# Altium PCB Fri3D_2020_01.PcbDoc (part 1 of 3)
Units mm, origin at the board's own origin, x right, y up, seen from the top; angles counter-clockwise.
Board outline 110 x 100 mm, 2 copper layers (Top Layer, Bottom Layer), stack 1.571 mm thick; 144 components, 114 nets, 669 pads, 306 vias.
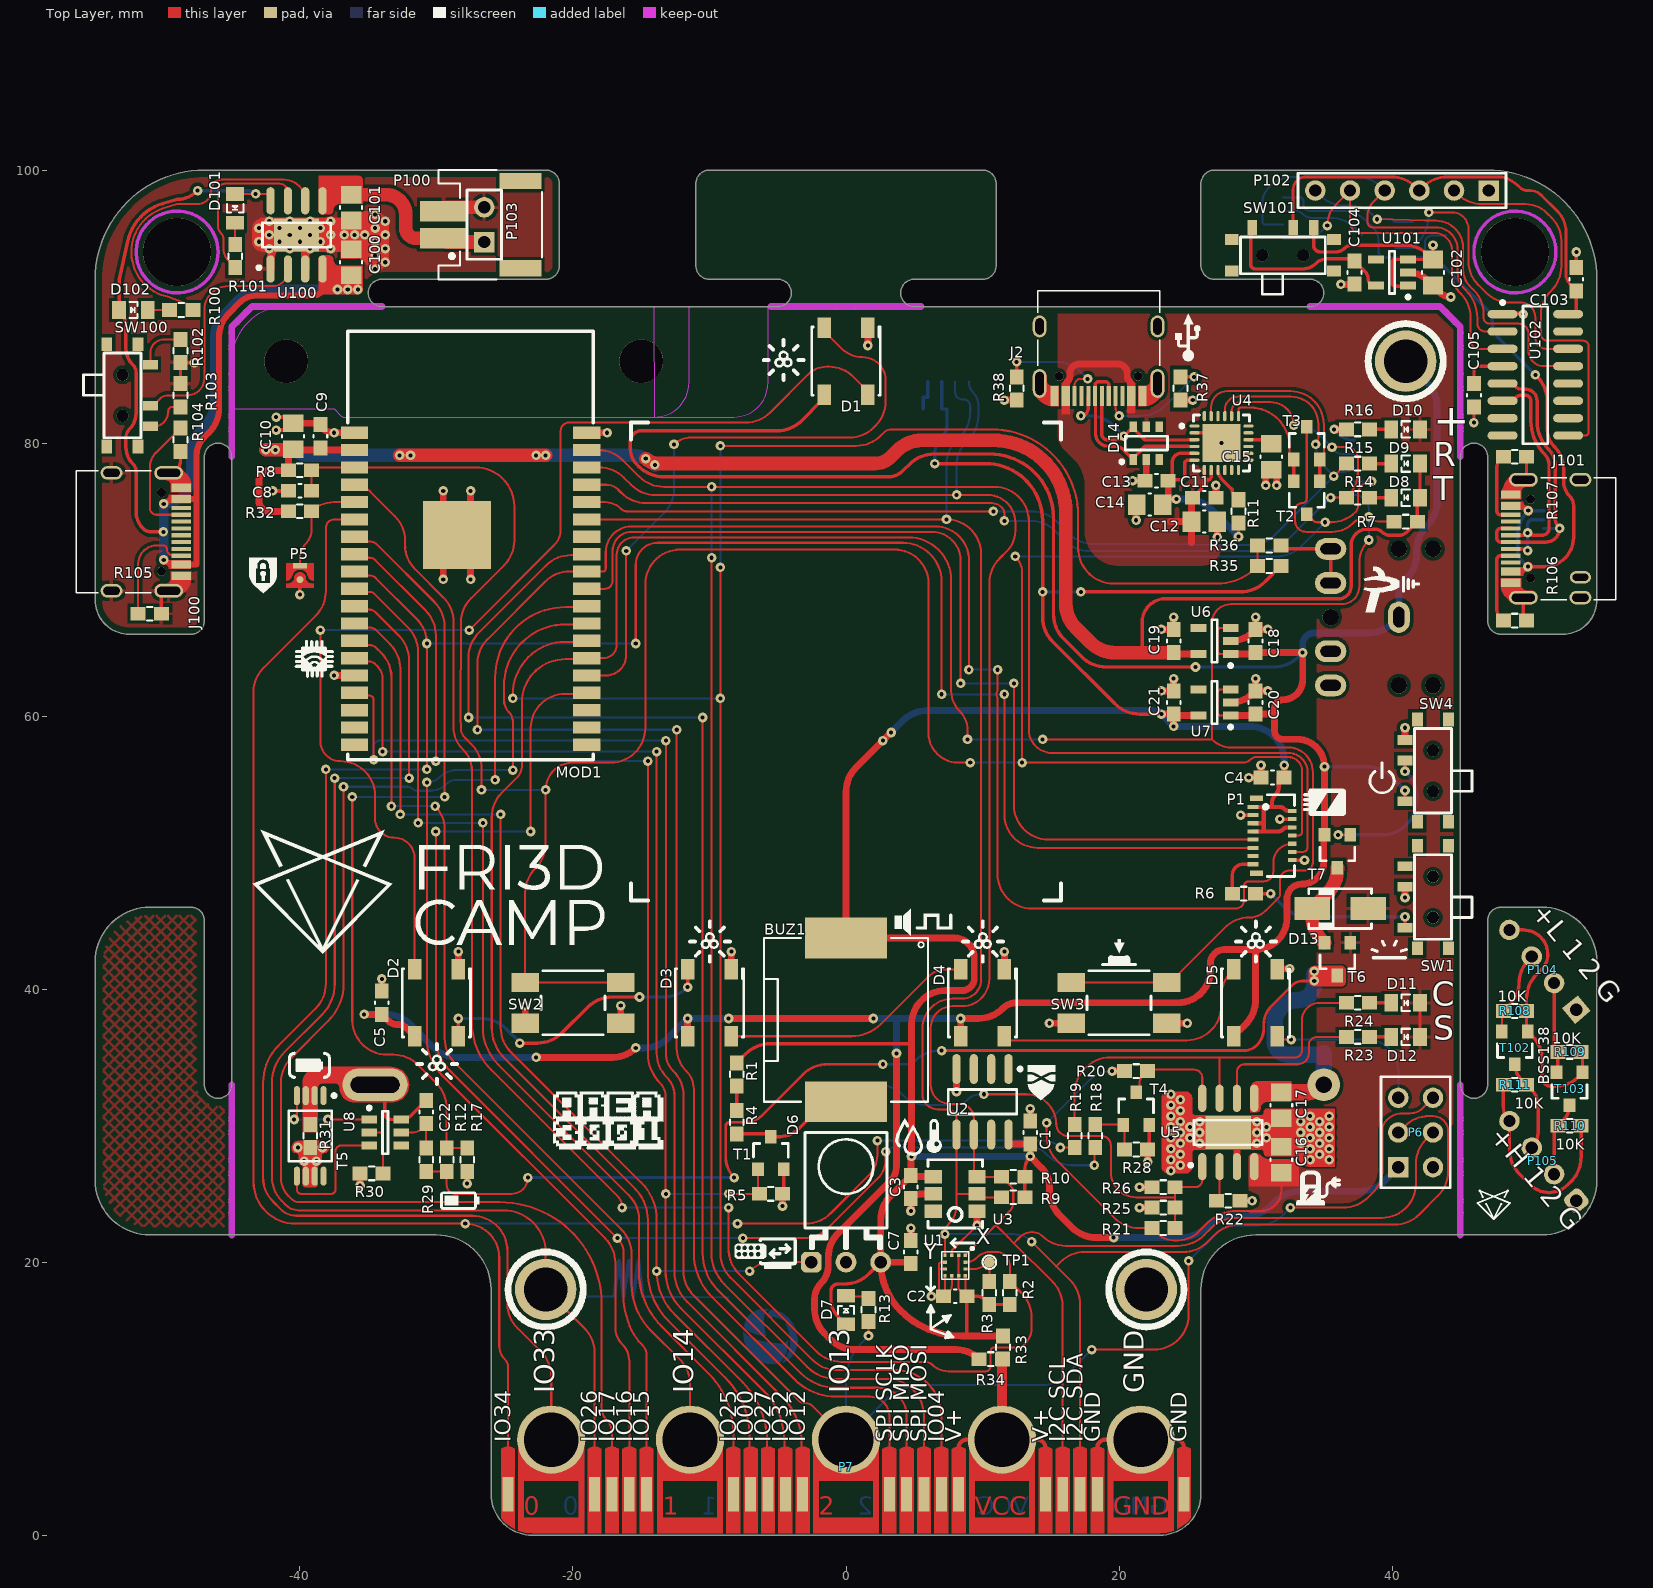
[diagram p0: Top Layer view]
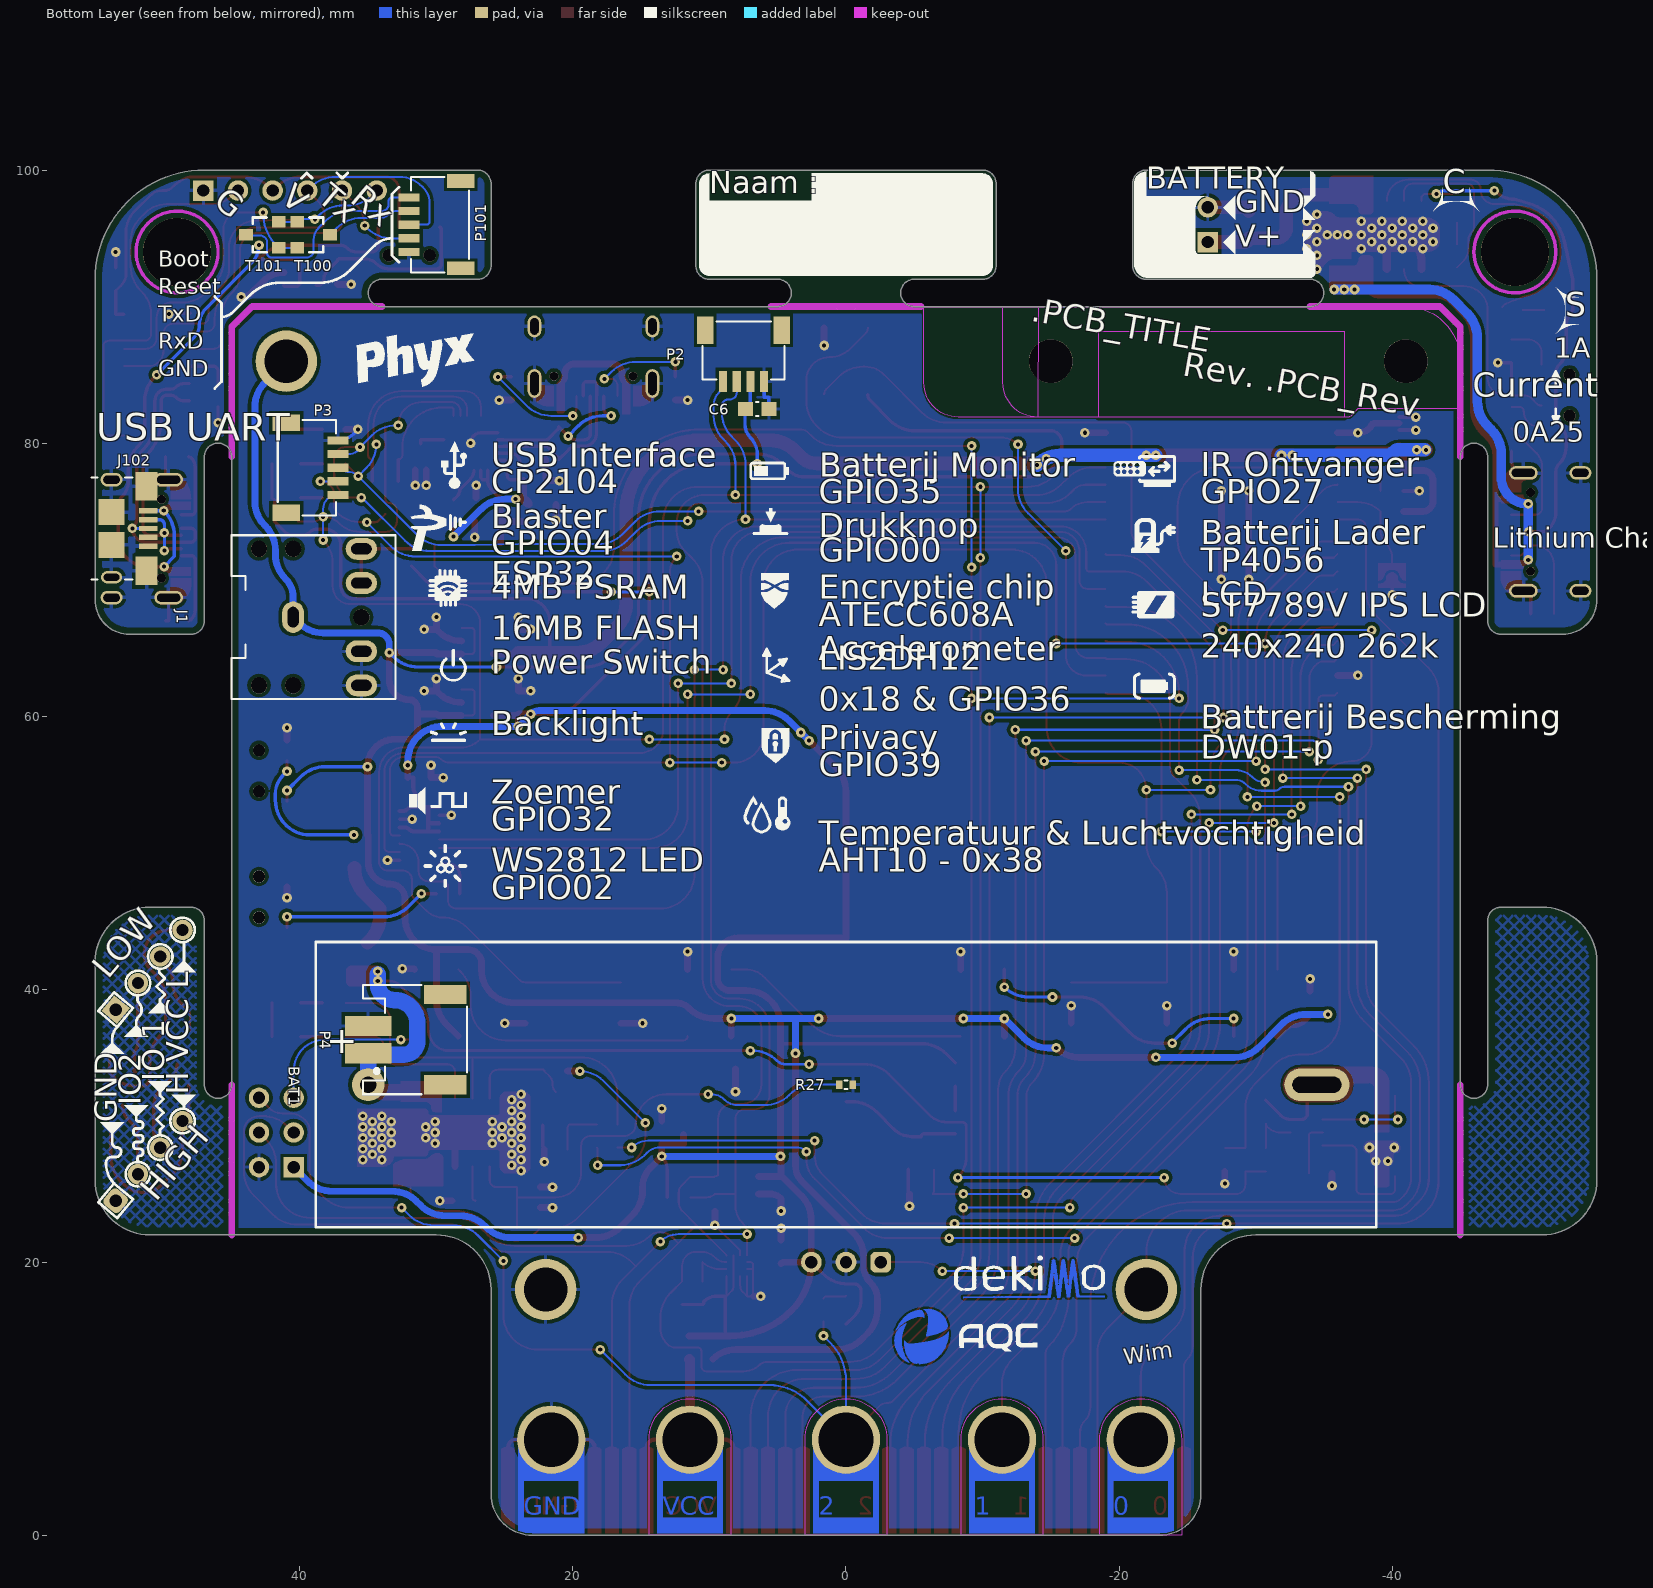
[diagram p1: Bottom Layer view, seen from below]

## Layer stack, top to bottom
Top Solder: solder mask 0.0102, Solder Resist, Dk 3.5
Top Layer: signal copper 0.0356
Dielectric1: core 1.5, FR-4, Dk 4.8
Bottom Layer: signal copper 0.0356
Bottom Solder: solder mask 0.0102, Solder Resist, Dk 3.5

## Board outline
-51,22 cw(c-51,26) -55,26 -55,42 cw(c-51,42) -51,46 -48,46 -48,46.01 cw(c-48,45.01) -47,45.01 -47,33 ccw(c-46,33) -45,33 -45,79 ccw(c-46,79) -47,79 -47,66.99 cw(c-48,66.99) -48,65.99 -48,66 -52.5,66 cw(c-52.5,68.5) -55,68.5 -55,92 cw(c-47,92) -47,100 -22,100 cw(c-22,99) -21,99 -21,93 cw(c-22,93) -22,92 -34,92 ccw(c-34,91) -34,90 -5,90 ccw(c-5,91) -5,92 -10,92 cw(c-10,93) -11,93 -11,99 cw(c-10,99) -10,100 10,100 cw(c10,99) 11,99 11,93 cw(c10,93) 10,92 5,92 ccw(c5,91) 5,90 34,90 ccw(c34,91) 34,92 27,92 cw(c27,93) 26,93 26,99 cw(c27,99) 27,100 47,100 cw(c47,92) 55,92 55,68.5 cw(c52.5,68.5) 52.5,66 48,66 48,65.99 cw(c48,66.99) 47,66.99 47,79 ccw(c46,79) 45,79 45,33 ccw(c46,33) 47,33 47,45.01 cw(c48,45.01) 48,46.01 48,46 51,46 cw(c51,42) 55,42 55,26 cw(c51,26) 51,22 30,22 ccw(c30,18) 26,18 26,3 cw(c23,3) 23,0 -23,0 cw(c-23,3) -26,3 -26,18 ccw(c-30,18) -30,22

## Design rules (kind name [scope] priority, off if disabled: settings)
BoardOutlineClearance [NOT OnLayer('Top Overlay') AND NOT OnLayer('Bottom Overlay') AND NOT IsText AND NOT HasFootprint('MicroBIT_PCB') AND NOT IsKeepOut] p1: gap=0.5 ignorepadtopadclearanceinfootprint=FALSE except(0: Arc-SplitContinuation Track-SplitContinuation SMDPad-SplitContinuation THPad-SplitContinuation Via-SplitContinuation Fill-SplitContinuation Poly-SplitContinuation Region-SplitContinuation Text-SplitContinuation; 0.15: SMDPad-OutlineEdge THPad-OutlineEdge; 0.25: Region-OutlineEdge; 0.3: Arc-OutlineEdge Track-OutlineEdge; 0.4: Via-OutlineEdge)
Clearance [All] p1: gap=0.15 ignorepadtopadclearanceinfootprint=FALSE except(0: Arc-Hole Track-Hole SMDPad-Hole THPad-Hole Via-Hole Fill-Hole Poly-Hole Region-Hole Text-Hole; 0.25: Arc-Poly Track-Poly SMDPad-Poly THPad-Poly Via-Poly Fill-Poly; 1.1: Poly-Poly)
ComponentClearance ComponentClearance_TP [HasFootprint('TP_2x3mm')] p1: gap=0 collisioncheckmode=3 verticalgap=0 showdistances=FALSE
ComponentClearance [All] p2: gap=0.25 collisioncheckmode=3 verticalgap=0.25 showdistances=FALSE
DiffPairsRouting [All] p1: maxlimit=0.254 minlimit=0.2 mostfreqgap=0.2 toplayer_minwidth=0.25 toplayer_maxwidth=0.5 toplayer_prefwidth=0.25 bottomlayer_minwidth=0.25 bottomlayer_maxwidth=0.5 bottomlayer_prefwidth=0.25 maxuncoupledlength=12.7
HoleSize [All] p1: absolutevalues=TRUE maxlimit=10 minlimit=0.025 maxpercent=80.000 minpercent=20.000
PolygonConnect PolygonConnect_VIA [IsVia] p1: connectstyle=Direct reliefconductorwidth=0.254 reliefentries=4 polygonreliefangle="90 Angle" airgapwidth=0.254
PolygonConnect [All] p2: connectstyle=Relief reliefconductorwidth=0.254 reliefentries=4 polygonreliefangle="90 Angle" airgapwidth=0.254
RoutingVias [All] p1: holewidth=0.3 width=0.7 viastyle="Through Hole" minholewidth=0.3 minwidth=0.2 maxholewidth=0.6 maxwidth=1.2
SilkToSolderMaskClearance SilkscreenOverComponentPads [IsPad] p1: minsilkscreentomaskgap=0.254 clearancetoexposedcopper=TRUE
SolderMaskExpansion [All] p1: expansion=0.05 istentingtop=FALSE
Width [All] p1: maxlimit=5 minlimit=0.15 preferedwidth=0.25
26 further rules are at their usual default settings.

## Classes and differential pairs
component class Doodles: C100 C101 C102 C103 C104 C105 D101 D102 J100 J101 J102 P100 P101 P102 P103 P104 P105 R100 R101 R102 R103 R104 R105 R106 R107 R108 R109 R110 R111 SW100 SW101 T100 T101 T102 T103 U100 U101 U102
net class ESP.IO[0..39]: ESP.IO0 ESP.IO1 ESP.IO2 ESP.IO3 ESP.IO4 ESP.IO5 ESP.IO6 ESP.IO7 ESP.IO8 ESP.IO9 ESP.IO10 ESP.IO11 ESP.IO12 ESP.IO13 ESP.IO14 ESP.IO15 ESP.IO16 ESP.IO17 ESP.IO18 ESP.IO19 ESP.IO20 ESP.IO21 ESP.IO22 ESP.IO23 ESP.IO24 ESP.IO25 ESP.IO26 ESP.IO27 ESP.IO28 ESP.IO29 ESP.IO30 ESP.IO31 ESP.IO32 ESP.IO33 ESP.IO34 ESP.IO35 ESP.IO36 ESP.IO37 ESP.IO38 ESP.IO39
net class 90r: USB3.D_n USB3.D_p USB.D_n USB.D_p
component class Power: BAT1 C16 C17 C18 C19 C20 C21 C22 D11 D12 D13 P4 R18 R19 R20 R21 R22 R23 R24 R25 R26 R27 R28 R29 R30 R31 SW4 T4 T5 T6 T7 U5 U6 U7 U8
component class Peripherals: BUZ1 C1 C2 C3 C4 C5 C6 C7 D1 D2 D3 D4 D5 D6 P1 P2 R1 R2 R3 R4 R5 R6 SW1 T1 TP1 U1 U2 U3
component class Fri3D_2020_01: D14 J1 J2 P5 P6 P7 R32 R33 R34 R35 R36 R37 R38
component class ESP32: C8 C9 C10 C11 C12 C13 C14 C15 D7 D8 D9 D10 MOD1 P3 R7 R8 R9 R10 R11 R12 R13 R14 R15 R16 R17 SW2 SW3 T2 T3 U4
net class POWER: 3V3_AUX 3V3_ESP 3V3_USB D.3V3 D.V GBAT GND GND2 GND3 NetD13_C VBAT VBAT2 VSYS VUSB VUSB2 VUSB3
differential pair USB3.D: +USB3.D_p -USB3.D_n
differential pair USB.D: +USB.D_p -USB.D_n

## Components (designator, comment, footprint, x,y, rotation, side; value= is the part's Value field where it differs from the comment)
BAT1 "18650 Battery holder with spring" BAT_18650_SPRING 0,33 r0 bottom locked value=18650_SPRING
BUZ1 "12x12x3mm Piezo Buzzer Transducer 81dB" CUI_CMT-1203-SMT 0,37.75 r270 top value=CMT-1203-SMT
C1 "" C0603_N 13.5,29.5 r90 top value="100nF 16V"
C2 "" C0603_N 8,17.5 r180 top value="100nF 16V"
C3 "" C0603_N 4.75,25.5 r270 top value="100nF 16V"
C4 "" C0603_N 31.25,55.5 r180 top value="100nF 16V"
C5 "CAP_CERAMIC" C0603_N -34,39 r90 top value="1uF 16V"
C6 "" C0603_N 6.5,82.5 r180 bottom value="100nF 16V"
C7 "" C0603_N 4.75,20.75 r90 top value="100nF 16V"
C8 "" C0603_N -40,76.5 r180 top value="100nF 16V"
C9 "" C0603_N -38.5,80.5 r90 top value="100nF 16V"
C10 "CAP_CERAMIC" C0805_N -40.5,80.5 r90 top value="10uF 10V"
C11 "" C0603_N 26.25,76 r0 top value="100nF 16V"
C12 "CAP_CERAMIC" C0805_N 26.25,74.25 r180 top value="10uF 10V"
C13 "" C0603_N 22.75,77.25 r180 top value="100nF 16V"
C14 "CAP_CERAMIC" C0805_N 22.25,75.5 r0 top value="10uF 10V"
C15 "CAP_CERAMIC" C0805_N 31.15,79 r90 top value="10uF 10V"
C16 "CAP_CERAMIC" C0805_N 31.888,27.499 r90 top value="10uF 10V"
C17 "CAP_CERAMIC" C0805_N 31.888,31.499 r270 top value="10uF 10V"
C18 "CAP_CERAMIC" C0603_N 30,65.5 r90 top value="1uF 16V"
C19 "CAP_CERAMIC" C0603_N 24,65.5 r90 top value="1uF 16V"
C20 "CAP_CERAMIC" C0603_N 30,61 r90 top value="1uF 16V"
C21 "CAP_CERAMIC" C0603_N 24,61 r90 top value="1uF 16V"
C22 "" C0603_N -30.75,31 r90 top value="100nF 16V"
C100 "CAP_CERAMIC" C0805_N -36.25,93.25 r90 top value="10uF 10V"
C101 "CAP_CERAMIC" C0805_N -36.25,97.25 r270 top value="10uF 10V"
C102 "CAP_CERAMIC" C0805_N 43,92.5 r270 top value="10uF 10V"
C103 "" C0603_N 53.5,92 r90 top value="100nF 16V"
C104 "CAP_CERAMIC" C0603_N 37.25,92.5 r270 top value="1uF 16V"
C105 "" C0603_N 46,83.5 r270 top value="100nF 16V"
D1 "WS2812 based digital RGB LED 5050 Black package" LED_5050_WS2812B_BLACK 0,86 r90 top value="WS218B 5050 BL"
D2 "WS2812 based digital RGB LED 5050 Black package" LED_5050_WS2812B_BLACK -30,39 r90 top value="WS218B 5050 BL"
D3 "WS2812 based digital RGB LED 5050 Black package" LED_5050_WS2812B_BLACK -10,39 r90 top value="WS218B 5050 BL"
D4 "WS2812 based digital RGB LED 5050 Black package" LED_5050_WS2812B_BLACK 10,39 r90 top value="WS218B 5050 BL"
D5 "WS2812 based digital RGB LED 5050 Black package" LED_5050_WS2812B_BLACK 30,39 r90 top value="WS218B 5050 BL"
D6 "IRM-3638N3F14 Infrared Receiver 38 kHz 45° 2.7-5.5V" VIS_TSOP381x_BENT 0,20 r0 top value=IRM-3638N3F14
D7 "Default 0805 Red LED" LED_0805_RD 0,16.5 r90 top
D8 "Default 0805 Red LED" LED_0805_RD 41,76 r180 top
D9 "Default 0805 Green LED" LED_0805_GR 41,78.5 r180 top
D10 "Default 0805 Green LED" LED_0805_GR 41,81 r180 top
D11 "Default 0805 Red LED" LED_0805_RD 41,39 r180 top
D12 "Default 0805 Green LED" LED_0805_GR 41,36.5 r180 top
D13 "MBRA210LT3G" SMA_AC 36.2,45.9 r180 top
D14 "TVS Diode Dual USB" NXP_SOT457 22,80 r90 top value=IP4220CZ6
D101 "Default 0805 Red LED" LED_0805_RD -44.75,97.2 r270 top
D102 "Default 0805 Green LED" LED_0805_GR -52.2,89.75 r0 top
J1 "3.5mm jack, dual switch, black, 3 contacts" CUI_SJ1-3525NG 35.5,67.25 r180 bottom value=SJ1-3525NG
J2 "USB 2.0 C Reversible Receptacle Horizontal" HRO_TYPE-C-31-M-12 18.5,86 r180 top value=TYPE-C-31-M-12
J100 "USB 2.0 C Reversible Receptacle Horizontal" HRO_TYPE-C-31-M-12 -51.25,73.5 r270 top value=TYPE-C-31-M-12
J101 "USB 2.0 C Reversible Receptacle Horizontal" HRO_TYPE-C-31-M-12 51.25,73 r90 top value=TYPE-C-31-M-12
J102 "XKB U254-051T-4BH81-S2S Micro USB" XKB_U254-051T-4BH81-S2S 51.122,73.745 r270 bottom value=U254-051T-4BH81-S2S
MOD1 "ESP-32 based ESP-WROVER-32" ESP-WROVER-32 -27.5,72.5 r0 top value=ESP-WROVER-32
P1 "Bottom contact FPC 0.3mm pitch 15 contacts" FPC_AFE03-S15FMA-1H 31.25,51.25 r270 top value=AFE03-S15FMA-1H
P2 "Header 1.0mm RA Shrouded 4" WE_665104131822 6,84.5 r0 bottom value=665104131822
P3 "Header 1.0mm RA Shrouded 5" WE_665105131822#1 37.225,80.2 r270 bottom value=665105131822
P4 "Header 2.0mm Shrouded 2" WE_620102131822#1 35,35.3 r90 bottom value=620102131822
P5 "Easy to solder connection" SOLDER_SW_V_1MM -40,70 r180 top value="NO BOM"
P6 "Receptacle 3x2" RCPT2X3 43,26.96 r90 top
P7 "MicroBit PCB connector" MicroBIT_PCB 0,0 r0 top
P100 "Header 2.0mm Shrouded 2" WE_620102131822#2 -29.5,95 r90 top value=620102131822
P101 "Header 1.0mm RA Shrouded 5" WE_665105131822#2 32,94 r90 bottom value=665105131822
P102 "Header 6" HDR1X6 47.08,98.5 r180 top
P103 "Header 2" HDR1X2 -26.5,94.73 r90 top
P104 "Header 4" HDR1X4#1 53.5,38.5 r130 top
P105 "Header 4" HDR1X4#2 53.5,24.5 r130 top
R1 "RESISTOR" R0603_N#1 -8,33.75 r270 top value=100R
R2 "RESISTOR" R0603_N#1 12,17.75 r90 top value=5K1
R3 "RESISTOR" R0603_N#1 10.5,17.75 r90 top value=5K1
R4 "RESISTOR" R0603_N#1 -8,30.25 r90 top value=100R
R5 "RESISTOR" R0603_N#1 -5.5,25 r0 top value=5K1
R6 "RESISTOR" R0603_N#1 29.15,47 r0 top value=100R
R7 "RESISTOR" R0603_N#1 41,74.25 r180 top value=5K1
R8 "RESISTOR" R0603_N#1 -40,78 r0 top value=5K1
R9 "RESISTOR" R0603_N#1 12.25,24.75 r180 top value=5K1
R10 "RESISTOR" R0603_N#1 12.25,26.25 r180 top value=5K1
R11 "RESISTOR" R0603_N#1 28.75,75 r90 top value=1K2
R12 "RESISTOR" R0603_N#1 -29.25,27.5 r90 top value=100K
R13 "RESISTOR" R0603_N#1 1.65,16.5 r270 top value=1K2
R14 "RESISTOR" R0603_N#1 37.5,76 r180 top value=1K2
R15 "RESISTOR" R0603_N#1 37.5,78.5 r180 top value=1K2
R16 "RESISTOR" R0603_N#1 37.5,81 r180 top value=1K2
R17 "RESISTOR" R0603_N#1 -27.75,27.5 r270 top value=100K
R18 "RESISTOR" R0603_N#1 18.25,29.25 r90 top value=100R
R19 "RESISTOR" R0603_N#1 16.75,29.25 r90 top value=100R
R20 "RESISTOR" R0603_N#1 21.25,34 r0 top value=5K1
R21 "RESISTOR" R0603_N#1 23.25,22.5 r0 top value=5K1
R22 "RESISTOR" R0603_N#1 28,24.5 r0 top value=1K2
R23 "RESISTOR" R0603_N#1 37.5,36.5 r180 top value=1K2
R24 "RESISTOR" R0603_N#1 37.5,39 r180 top value=1K2
R25 "RESISTOR" R0603_N#1 23.25,24 r180 top value=100K
R26 "RESISTOR" R0603_N#1 23.25,25.5 r180 top value=100K
R27 "NTC" R0402 0,33 r180 bottom value=10K
R28 "RESISTOR" R0603_N#1 21.25,28.25 r0 top value=5K1
R29 "RESISTOR" R0603_N#1 -30.75,27.5 r90 top value=100R
R30 "RESISTOR" R0603_N#1 -34.75,26.5 r180 top value=1K2
R31 "" R0603_N#2 -39.25,29.25 r270 top value=0R
R32 "RESISTOR" R0603_N#1 -40,75 r0 top value=5K1
R33 "RESISTOR" R0603_N#1 11.5,13.75 r270 top value=0R
R34 "RESISTOR" R0603_N#1 10.6,12.9 r180 top value=5K1
R35 "RESISTOR" R0603_N#1 31,71 r180 top value=5K1
R36 "RESISTOR" R0603_N#1 31,72.5 r0 top value=1K2
R37 "RESISTOR" R0603_N#1 24.5,84 r270 top value=5K1
R38 "RESISTOR" R0603_N#1 12.5,84 r270 top value=5K1
R100 "RESISTOR" R0603_N#1 -48.7,89.75 r0 top value=1K2
R101 "RESISTOR" R0603_N#1 -44.75,93.7 r270 top value=1K2
R102 "RESISTOR" R0603_N#1 -48.75,86.75 r270 top value=1K2
R103 "RESISTOR" R0603_N#1 -48.75,83.5 r90 top value=5K1
R104 "RESISTOR" R0603_N#1 -48.75,80.25 r270 top value=5K1
R105 "RESISTOR" R0603_N#1 -51,67.5 r0 top value=5K1
R106 "RESISTOR" R0603_N#1 49,67 r0 top value=5K1
R107 "RESISTOR" R0603_N#1 49,79 r0 top value=5K1
R108 "RESISTOR" R0603_N#1 49,38.4 r180 top value=5K1
R109 "RESISTOR" R0603_N#1 53,35.4 r180 top value=5K1
R110 "RESISTOR" R0603_N#1 53,30 r180 top value=5K1
R111 "RESISTOR" R0603_N#1 49,33 r0 top value=5K1
SW1 "SW_1P2T" WE_450404015514 43,46.75 r270 top
SW2 "SW_TACT" WE_430181038816 -20,39 r0 top
SW3 "SW_TACT" WE_430181038816 20,39 r0 top
SW4 "SW_1P2T" WE_450404015514 43,56 r270 top
SW100 "SW_1P2T" WE_450404015514 -53,83.5 r90 top
SW101 "SW_1P2T" WE_450404015514 32,93.75 r180 top
T1 "0.2A N-Ch MOSFET Vgs 3.2" SOT23-3 -5.5,28 r0 top value=BSS138
T2 "0.2A N-Ch MOSFET Vgs 3.2" SOT23-3 33.75,76 r180 top value=BSS138
T3 "0.2A N-Ch MOSFET Vgs 3.2" SOT23-3 33.75,80 r0 top value=BSS138
T4 "0.2A N-Ch MOSFET Vgs 3.2" SOT23-3 21.25,31.25 r0 top value=BSS138
T5 "Dual N-Ch MOSFET Common Drain" TSSOP_8_65P -39.25,29.25 r270 top value=FS8205A
T6 "-2.3A -20V P-Ch MOSFET Vgs -1V" SOT23-3 36,42.2 r180 top value=SL2301
T7 "-2.3A -20V P-Ch MOSFET Vgs -1V" SOT23-3 36,50.1 r180 top value=SL2301
T100 "0.2A N-Ch MOSFET Vgs 3.2" SOT23-3 39,95.25 r270 bottom value=BSS138
T101 "0.2A N-Ch MOSFET Vgs 3.2" SOT23-3 42.75,95.25 r90 bottom value=BSS138
T102 "0.2A N-Ch MOSFET Vgs 3.2" SOT23-3 49,35.7 r180 top value=BSS138
T103 "0.2A N-Ch MOSFET Vgs 3.2" SOT23-3 53,32.7 r180 top value=BSS138
TP1 "TEST_PAD" TP_0.8mm 10.5,20 r90 top value="NO BOM"
U1 "LIS2DH12" STM_LGA12_2x2 8,19.75 r270 top
U2 "Encryption Authentication with 72b SN, SHA-256, AES-128" SOIC_N_8 10,31.75 r270 top value=ATECC608A-SSHDA-T
U3 "=Comment" AHT10 8,25 r180 top
U4 "USB to UART 3.3-5V" QFN_24 27.5,80 r0 top value=CP2102N-A01-GQFN24
U5 "Single Cell LiIon charger max 1A" SOIC_N_8_TH 28,29.5 r90 top value=TP4056
U6 "3V3 LDO 700mA 50mV" SOT23-5 27,65.5 r180 top value=XC6210B332MR
U7 "3V3 LDO 700mA 50mV" SOT23-5 27,61 r180 top value=XC6210B332MR
U8 "DW01-P single cell lithium protection" SOT23-6 -33.75,29.5 r0 top value=DW01-P
U100 "Single Cell LiIon charger max 1A" SOIC_N_8_TH -40.25,95.25 r90 top value=TP4056
U101 "3V3 LDO 700mA 50mV" SOT23-5 40,92.5 r180 top value=XC6210B332MR
U102 "USB to full UART with internal crystal" SOIC_N_16 50.5,85 r0 top value=CH340C
